# Allegro board mb1260.brd (continued)
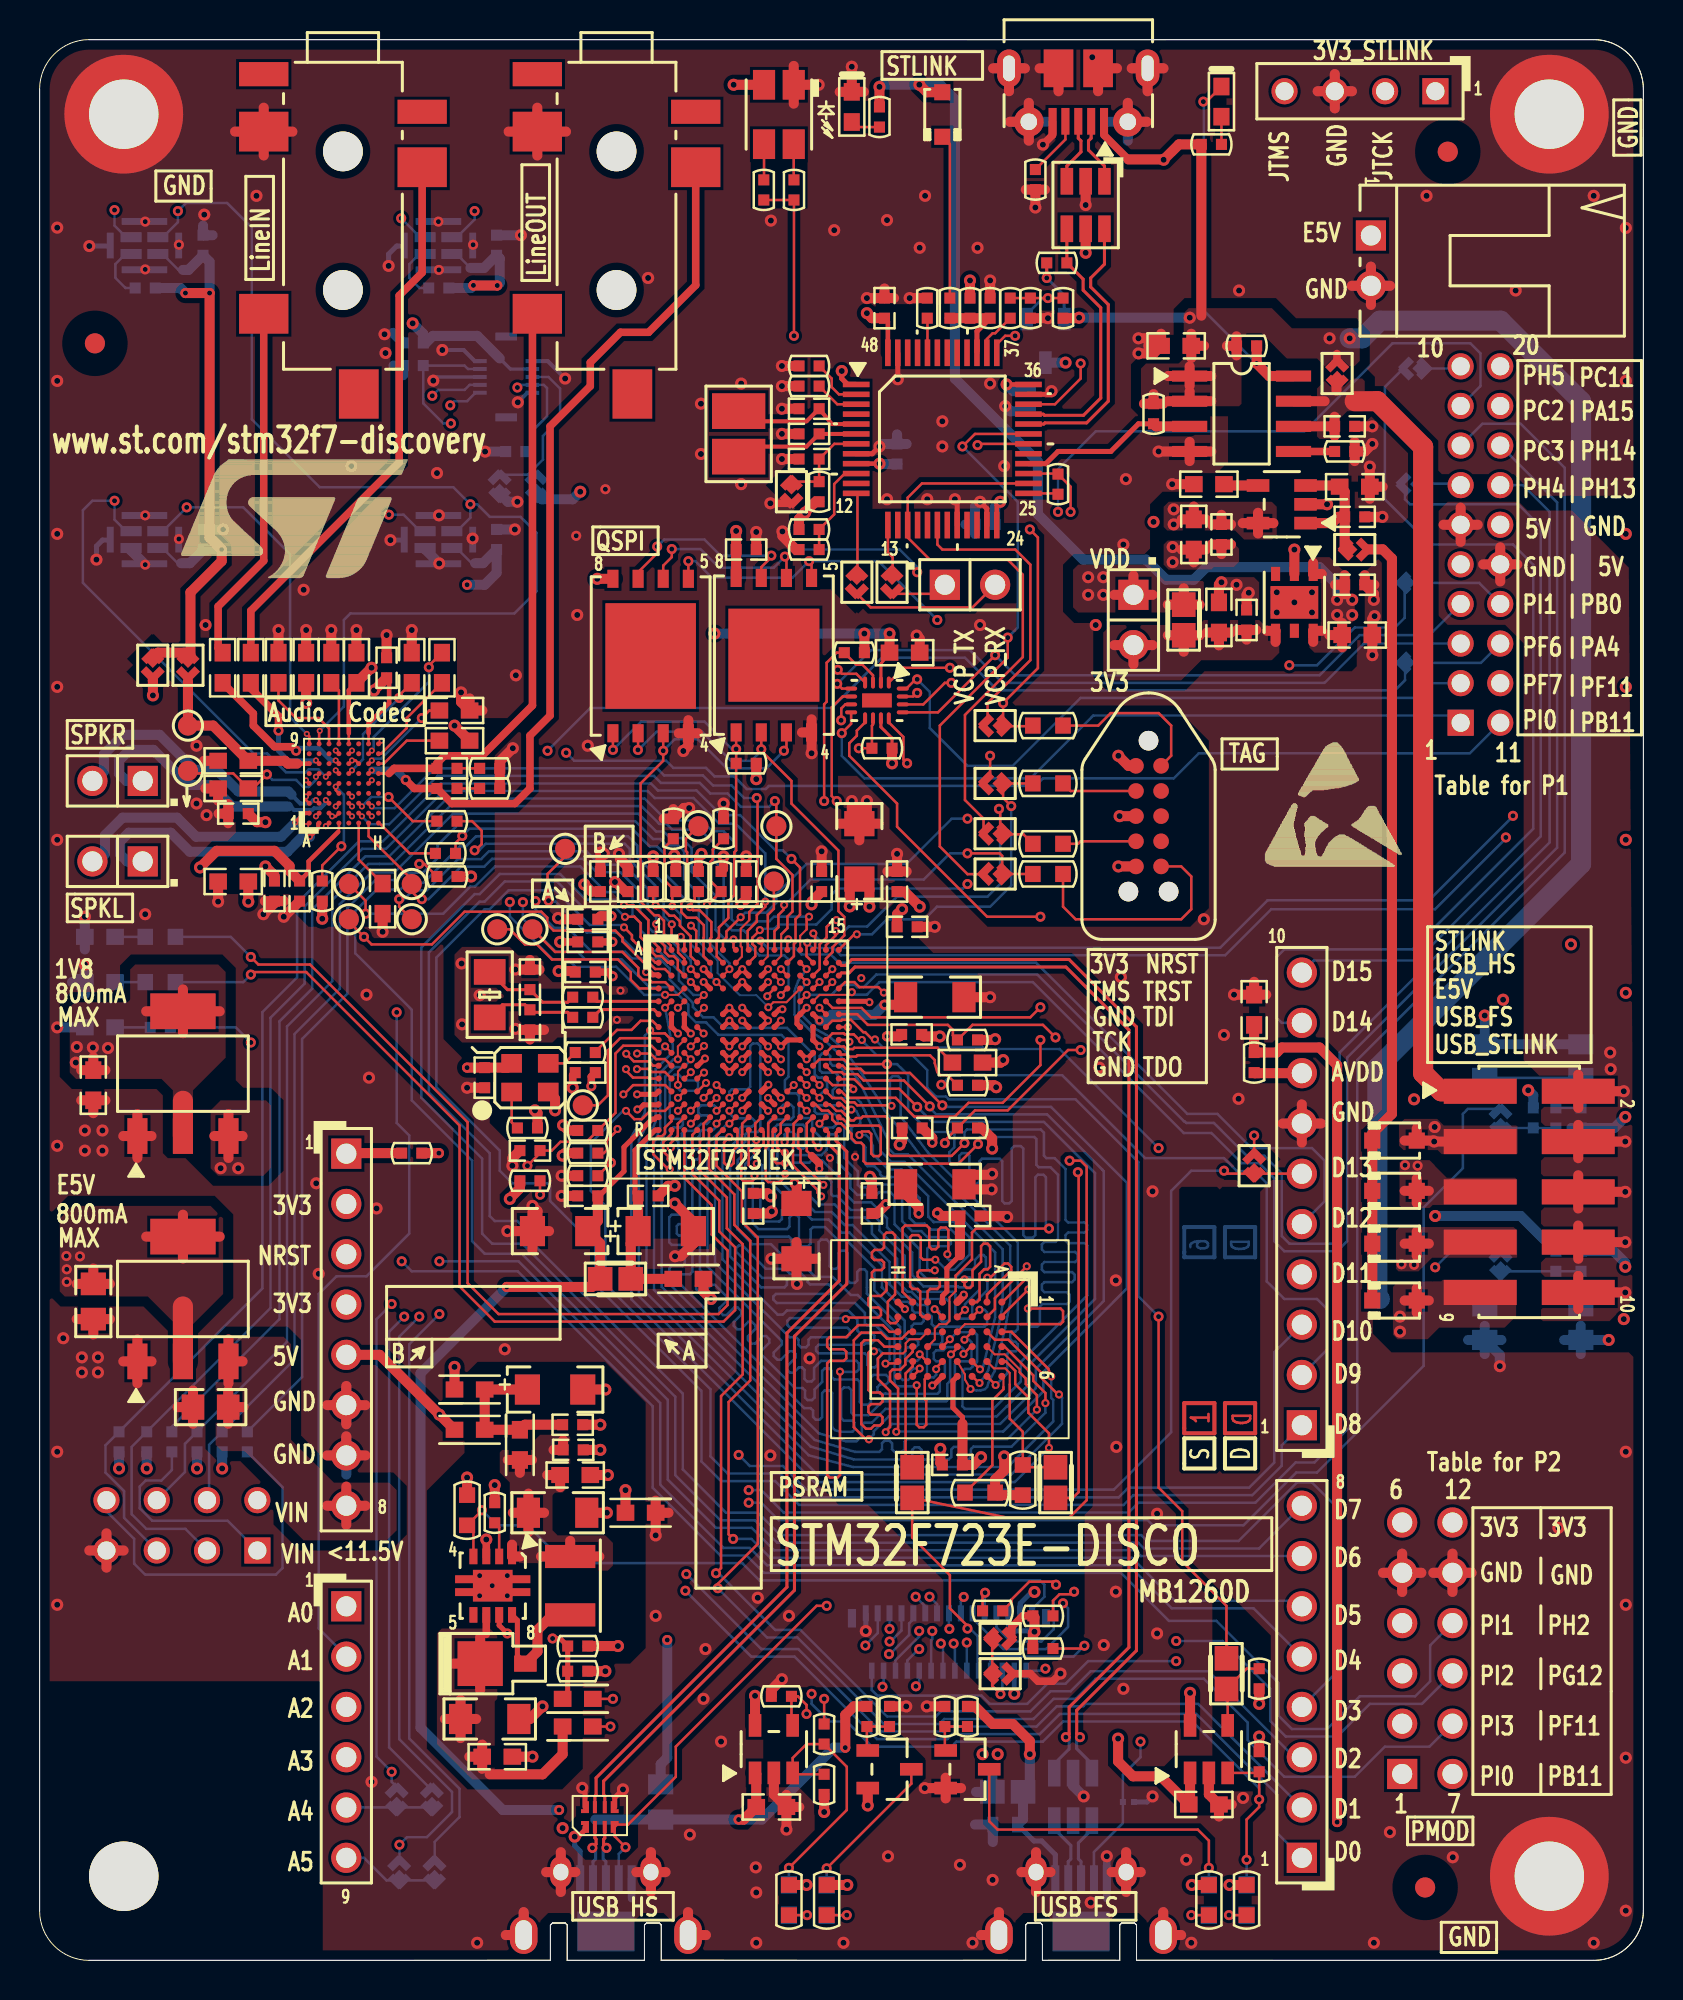
[diagram p0: board, top side]
## Routing (per net, layer and track width the routed paths; a pad name or vN(x,y) marks a point on that pad's centre or on a via; arc(x,y) is an arc through that point) (continued)
LCD_PSRAM_D12: length 52.1
  TOP w0.127: U10.E2 v1(45.2,32.89) ; v1(37.63,41.33) 37.76,41.46 U8.R11
  L4_SIG w0.102: v1(45.2,32.89) 45.69,32.89 45.82,33.02 45.82,33.43 45.95,33.55 46.18,33.55 46.3,33.43 46.3,32.56 46.18,32.44 45.19,32.44 45.06,32.31 45.06,32.13 45.19,32 45.52,32 45.64,31.88 45.64,31.65 45.52,31.52 44.63,31.52 43.92,30.81 43.92,27.61 44.3,27.23 44.3,24.82 44.17,24.69 43.28,24.69 43.15,24.56 43.15,24.36 43.28,24.23 44.22,24.23 44.35,24.1 44.35,23.9 44.22,23.77 43.28,23.77 43.15,23.65 43.15,18.26 43.79,17.63 44.7,17.63 44.83,17.5 44.83,17.25 44.7,17.12 44.22,17.12 44.09,16.99 44.09,16.76 44.22,16.64 v2(44.42,16.64)
  BOTTOM w0.127: CN17.6 43.23,15.16 44.42,16.36 v2(44.42,16.64) ; v1(45.2,32.89) 45.31,32.89 45.44,32.76 45.44,32.38 45.57,32.26 45.82,32.26 45.95,32.38 45.95,33.25 45.8,33.4 44.4,33.4 44.04,33.76 43.84,33.76 43.31,34.29 43.31,35.43 42.04,36.7 42.04,37.17 41.69,37.52 40.82,37.52 40.16,38.18 39.32,38.18 38.69,38.81 37.95,38.81 37.26,39.49 37.26,41.02 37.13,41.15 37.13,42.08 37.26,42.2 38.56,42.2 38.68,42.08 38.68,41.12 38.56,41 38.3,41 38.18,41.12 38.18,41.71 38.05,41.83 37.75,41.83 37.63,41.71 v1(37.63,41.33)
LCD_PSRAM_D13: length 46.7
  TOP w0.127: v1(45.24,35.38) 44.63,35.38 44.5,35.51 44.5,36.5 44.37,36.63 44.07,36.63 43.97,36.53 43.97,34.04 44.09,33.91 44.35,33.91 44.48,33.78 44.48,32.62 44.6,32.49 U10.F2 ; U8.P15 40.45,42.49 40.58,42.49 40.91,42.16 42.38,42.16 42.48,42.06 42.48,40.71 42.38,40.61 42.13,40.61 42,40.74 42,41.73 41.87,41.86 41.53,41.86 41.4,41.73 v1(41.4,41.68)
  L4_SIG w0.102: v2(42.93,16.74) 42.93,16.97 42.21,17.68 42.21,26.11 42.27,26.16 42.27,29.62 42.39,29.74 42.95,29.74 43.08,29.87 43.08,31.39 44.07,32.38 44.07,33.17 45.67,34.77 45.67,35.18 45.47,35.38 v1(45.24,35.38)
  BOTTOM w0.127: v1(45.24,35.38) 45.29,35.38 45.8,34.87 46.2,34.87 46.96,35.64 46.96,36.51 46.19,37.29 45.16,37.29 45.16,37.29 45.15,37.29 44.89,37.55 44.89,37.56 44.88,37.57 44.88,38.6 43.54,39.94 42.86,39.94 42.09,40.72 42.09,41.12 41.91,41.51 41.73,41.68 v1(41.4,41.68) ; CN17.5 v2(42.93,16.74)
LCD_PSRAM_D14: length 47.8
  TOP w0.127: v1(45.21,34.85) 44.45,34.85 44.35,34.75 44.35,34.54 44.48,34.42 45.34,34.42 45.47,34.29 45.47,34.04 45.34,33.91 44.98,33.91 44.85,33.78 U10.F1 ; v1(39.39,42.25) 39.39,42.26 U8.P14
  L4_SIG w0.102: v2(42.57,13.82) 42.14,14.25 42.14,15.9 42.24,16 42.24,17.09 42.11,17.22 41.61,17.22 41.48,17.35 41.48,17.58 41.58,17.68 41.74,17.68 41.87,17.81 41.87,17.96 41.74,18.08 41.58,18.08 41.48,18.19 41.48,26.49 41.94,26.95 41.94,29.97 42.57,30.61 42.57,31.67 43.21,32.31 43.21,32.97 45.09,34.85 v1(45.21,34.85)
  BOTTOM w0.127: CN17.4 42.63,13.87 v2(42.57,13.82) ; v1(39.39,42.25) 39.39,42.24 39.57,42.06 40.08,42.06 40.31,42.29 40.31,42.6 40.16,42.75 39.27,42.75 39.14,42.87 39.14,43.05 39.27,43.18 40.51,43.18 40.63,43.07 40.63,42.81 40.84,42.6 40.84,42.6 40.84,42.34 40.64,42.14 40.64,40.53 41.33,39.84 41.33,39.17 41.45,39.04 42.12,39.04 42.25,39.18 43.22,39.18 43.56,38.84 43.56,37.33 44.06,36.83 44.53,36.83 44.83,36.53 44.84,36.53 44.85,36.53 45.88,36.53 46.02,36.38 46.02,36.2 45.9,36.07 44.96,36.07 44.83,35.94 44.83,34.92 44.96,34.8 45.16,34.8 v1(45.21,34.85)
LCD_PSRAM_D15: length 47.9
  TOP w0.127: v1(41,42.96) 41,42.97 40.94,43.03 40.69,43.03 40.49,43.23 U8.N15 ; v1(45.85,35.66) 45.9,35.71 45.9,36.88 45.77,37.01 45.52,37.01 45.39,36.88 45.39,36.04 45.26,35.92 45.06,35.92 44.93,36.04 44.93,36.98 44.81,37.11 43.71,37.11 43.59,36.98 43.59,33.76 U10.G1
  L4_SIG w0.102: v2(41.71,15.9) 41.38,16.23 41.17,16.66 41.17,26.67 41.68,30.65 41.99,31.69 42.55,32.62 43.17,33.68 43.59,34.14 44.7,35.38 44.86,35.53 44.86,35.54 45.08,35.76 45.75,35.76 v1(45.85,35.66)
  BOTTOM w0.127: v1(41,42.96) 41.17,42.96 41.26,42.88 41.44,42.49 41.44,42.28 41.33,42.16 41.12,42.16 41,42.04 41,41.48 41.19,41.29 41.49,41.29 41.68,41.1 41.71,41.04 41.71,40.21 41.81,40.11 42.16,40.11 42.45,39.81 42.45,39.69 42.58,39.56 43.02,39.56 43.38,39.56 43.94,39 43.94,38.79 44.09,38.63 44.31,38.63 44.45,38.49 44.45,38.3 44.32,38.18 44.07,38.18 43.94,38.05 43.94,37.49 44.22,37.21 44.69,37.21 44.99,36.91 45,36.91 45,36.91 46.03,36.91 46.58,36.36 46.58,35.79 46.15,35.36 45.95,35.36 45.85,35.46 v1(45.85,35.66) ; v2(41.71,15.9) 41.71,15.91 42.33,16.53 CN17.3
LCD_PSRAM_NOE: length 56.7
  TOP w0.127: U8.D10 36.75,48.72 v1(36.75,48.69) ; v1(49.94,33.88) 48.6,32.55 U10.A2
  L4_SIG w0.102: v2(51.69,18.03) 51.79,18.14 51.79,18.77 51.82,18.8 51.82,18.8 52.07,19.05 52.07,19.05 52.2,19.18 52.2,31.22 49.94,33.48 v1(49.94,33.88) 49.94,33.93 50.06,34.06 51.18,34.06 51.31,34.19 51.31,35.48 50.06,36.73 47.9,36.73 47.42,37.21 46.57,37.21 46.47,37.31 46.47,37.42 46.35,37.54 46.18,37.54 46.06,37.42 46.06,37.31 45.96,37.21 43.93,37.21 43.83,37.31 43.83,37.7 43.71,37.82 43.54,37.82 43.42,37.7 43.42,37.31 43.32,37.21 41.5,37.21 41.39,37.33 41.39,38.7 41.35,38.74 41.35,38.74 40.61,39.49 40.61,40.82 40.03,41.4 38.86,41.4 37.85,42.42 36.77,42.42 36.4,42.79 36.4,48.33 36.75,48.69 v1(36.75,48.69)
  BOTTOM w0.127: CN17.19 47.13,17.26 48.67,15.72 50.83,15.72 51.94,16.84 51.94,17.78 v2(51.69,18.03)
LCD_PSRAM_NWE: length 57.3
  TOP w0.127: v1(37.44,50.06) U8.C11 ; v2(46.86,16.76) 46.86,16.89 45.97,17.78 45.97,19.46 44.07,21.36 R64.1 48.9,22.35 51.99,22.35 52.88,23.24 52.88,40.08 52.58,40.39 v2(52.02,40.39)
  L4_SIG w0.102: v1(37.44,50.06) 37.66,49.83 38.07,49.05 38.07,47.8 39.09,46.79 39.64,46.47 40.41,45.69 45.42,45.69 47.96,43.15 49.43,43.15 52.02,40.56 v2(52.02,40.39)
  BOTTOM w0.127: CN17.20 47.37,14.68 47.37,16.38 47,16.76 v2(46.86,16.76)
LCD_RST: length 43
  TOP w0.127: U8.N12 v1(38.74,42.91) ; 51.18,17.4 51.18,18.16 51.51,18.49 52.12,18.49 v2(52.25,18.62)
  L4_SIG w0.102: v2(52.25,18.62) 52.5,18.87 52.5,31.75 51.94,32.31 51.94,35.31 50.19,37.06 48.11,37.06 46.48,38.68 44.75,38.68 42.57,40.86 42.57,41.42 41.85,42.15 41.31,42.15 41.28,42.12 40.31,42.12 39.61,42.82 38.82,42.82 v1(38.74,42.91)
  BOTTOM w0.127: v2(52.25,18.62) 52.12,18.49 51.51,18.49 51.22,18.2 51.22,16.73 50.6,16.1 49.05,16.1 48.33,16.82 CN17.23
LCD_TE_INT: length 64
  TOP w0.127: v1(42.19,46.51) 42.06,46.51 41.69,46.88 41.6,46.88 40.97,47.5 40.53,47.5 40.48,47.45 40.03,47.45 U8.G14
  L4_SIG w0.102: v2(56.52,41.02) 56.77,40.77 56.77,34.67 57.4,34.04 57.4,23.88 58.04,23.24 58.04,15.75 v2(57.4,15.11)
  BOTTOM w0.127: v1(42.19,46.51) 42.6,46.1 47.62,46.1 47.7,46.02 48.05,46.02 51.51,46.02 v2(56.52,41.02) ; CN17.2 42.03,13.65 42.31,13.37 47.57,13.37 47.99,12.95 49.88,12.95 50.9,13.97 51.82,13.97 52.96,15.11 v2(57.4,15.11)
LED_STLINK: length 22.6
  TOP w0.127: U2.30 47.43,76.59 v2(47.37,76.52) ; R13.1 R14.1 v2(38.1,82.04)
  L4_SIG w0.102: v2(38.1,82.04) 38.1,81.92 41.91,78.11 43.56,78.11 44.7,76.96 46.93,76.96 v2(47.37,76.52)
LEDA: length 26.5
  TOP w0.127: L8.2 v2(28.83,11.81)
  L4_SIG w0.102: v2(28.83,11.81) 29.36,12.34 38.18,12.34 39.22,11.3 46.48,11.3 48.13,12.95 50.04,12.95 50.8,13.72 v2(50.8,14.73)
  BOTTOM w0.127: CN17.28 50.7,14.63 v2(50.8,14.73)
LEDK: length 34.4
  TOP w0.127: U12.4 21.91,21.65 R66.2 22.34,22.72 v2(22.34,22.73)
  BOTTOM w0.127: CN17.29 50.13,17.74 50.75,18.36 50.75,18.97 50.53,19.19 36.36,19.19 35.48,20.07 26.54,20.07 24.64,21.97 23.11,21.97 22.35,22.73 v2(22.34,22.73)
MIC_VDD1: length 9.4
  TOP w0.127: 7.49,64.59 7.49,64.81
  TOP w0.229: 13,60.44 U7.A7
  TOP w0.508: 7.49,64.59 TP1.1 8.76,62.36 C29.2 12.4,60.58 12.54,60.44 13,60.44
MIC_VDD2: length 7.9
  TOP w0.127: v2(11.48,59.89) 10.77,59.18 C31.2 9.78,59.94 7.62,59.94 TP2.1 ; 14.12,59.94 U7.B6 14.12,59.94 ; 14.12,59.94 v3(13.96,59.78)
  BOTTOM w0.127: v3(13.96,59.78) 13.96,59.63 13.59,59.26 13.31,59.26 12.95,59.61 11.76,59.61 v2(11.48,59.89)
NC1: length 8.2
  TOP w0.127: TP3.1 32.64,56.64 32.64,56.03 32.7,55.96 32.7,53.71 32.41,53.42 32.41,52.94 32.69,52.65 33.17,52.65 33.55,52.28 33.55,51.66 33.53,51.64 33.53,50.71 U8.B5
NC4: length 4.4
  TOP w0.102: U8.B9 36.78,50.7 36.78,52.17
  TOP w0.127: 36.78,52.17 36.78,52.8 37.08,53.1 TP5.1
NC8: length 8.5
  TOP w0.127: TP14.1 26.04,50.93 29.43,50.93 30.24,50.12 30.24,49.75 30.47,49.52 30.81,49.52 30.93,49.4 31.6,49.4 U8.D2
NC10: length 13.6
  TOP w0.127: v1(33.55,48.75) 33.53,48.75 U8.E4 ; v2(25.7,53.52) 25.65,53.57 25.65,54.86 26.54,55.75 TP8.1
  BOTTOM w0.127: v1(33.55,48.75) 33.03,48.75 32.29,49.49 32.29,49.95 31.27,50.98 30.07,50.98 29.14,51.91 27.62,51.91 26.06,53.47 25.76,53.47 v2(25.7,53.52)
NC11: length 9.6
  TOP w0.127: U8.D1 30.29,49.08 29.86,49.52 29.86,49.9 29.21,50.55 25.88,50.55 25.12,51.31 24.51,51.31 23.75,52.07 TP13.1
NETB1_2: length 7.6
  BOTTOM w0.127: 76.58,43.05 77.85,43.05 77.84,43.07 B1.4 B1.2
NETB2_1: length 7.9
  BOTTOM w0.127: B2.3 77.85,33.05 C87.2 R91.1 73.84,34.8 SB34.2 73.82,33.86 B2.1
NETC8_2: length 1.7
  TOP w0.508: C8.2 59.88,74.48 U3.4
NETC9_2: length 7.1
  TOP w0.508: 65.91,72.9 65.91,74.17 C9.2 65.6,74.48 U3.3 ; 65.91,72.9 65.59,72.9 65.28,72.58 U3.1 ; 65.91,72.9 65.91,71.25
NETC18_1: length 6.3
  TOP w0.127: U7.B7 v3(13.96,60.6)
  TOP w0.381: v2(12.06,62.1) 12.06,62.84 10.67,64.24 C18.1
  BOTTOM w0.254: v2(12.06,62.1) 12.06,61.09 12.57,60.58 13.94,60.58 v3(13.96,60.6)
NETC18_2: length 28.1
  TOP w0.381: CN4.4 19.32,85.23 18.16,84.07 18.16,75.65 10.67,68.16 C18.2
NETC19_2: length 4.8
  TOP w0.127: U7.C9 14.62,62.22 14.1,62.74 12.95,62.74 12.06,63.63 C19.2
NETC21_1: length 3.2
  TOP w0.127: U7.D9 15.12,64.13 C21.1
NETC24_1: length 5.9
  TOP w0.127: U7.E6 v3(15.78,60.1) ; v2(18.16,63.75) 18.16,63.88 C24.1
  BOTTOM w0.127: v2(18.16,63.75) 16.33,61.93 16.33,60.65 v3(15.78,60.1)
NETC25_1: length 5
  TOP w0.127: U7.H8 17.25,60.94 18.54,62.23 18.54,62.74 C25.1
NETC25_2: length 6.6
  TOP w0.127: C25.2 19.66,65.38 v2(19.66,65.3) ; U7.G8 v3(16.78,61.1)
  BOTTOM w0.127: v2(19.66,65.3) 19.66,64.57 16.87,61.77 16.87,61.19 v3(16.78,61.1)
NETC26_1: length 4.7
  TOP w0.127: U7.G7 v3(16.78,60.6) ; C26.1 19.68,63.12 v2(19.3,62.74)
  BOTTOM w0.127: v3(16.78,60.6) 16.87,60.69 17.25,60.69 v2(19.3,62.74)
NETC27_1: length 8
  TOP w0.127: U7.D7 v3(14.96,60.6)
  TOP w0.381: v2(12.95,61.09) 12.75,61.29 11.86,61.29 10.79,62.36 10.79,62.97 C27.1
  BOTTOM w0.254: v3(14.96,60.6) 14.71,60.6 14.1,61.21 13.08,61.21 v2(12.95,61.09)
NETC27_2: length 18.2
  TOP w0.381: C27.2 9.02,66.27 9.02,68.38 11.32,70.68 CN4.6
NETC28_1: length 3.6
  TOP w0.127: C28.1 18.54,61.59 17.38,60.44 U7.H7
NETC30_1: length 29.2
  TOP w0.127: U7.H6 17.65,59.94
  TOP w0.381: CN5.6 24.89,82.91 24.89,63.37 22.35,60.83 20.45,60.83 20.07,60.45 C30.1 17.91,60.2 17.65,59.94
NETC30_2: length 1.1
  TOP w0.127: C30.2 R31.1
NETC32_1: length 44.9
  TOP w0.127: U7.G6 v3(16.78,60.1)
  TOP w0.381: CN5.4 33.14,84.6 30.76,82.22 29.34,82.22 27.81,80.7 27.81,79.5 25.78,77.47 25.78,62.87 24.77,61.85 24.77,59.18 24,58.42 20.83,58.42 C32.1 18.92,59.18 v2(18.49,59.61)
  BOTTOM w0.381: v2(18.49,59.61) 18.01,60.1 v3(16.78,60.1)
NETC32_2: length 1.1
  TOP w0.127: C32.2 R33.1
NETC43_2: length 3.6
  TOP w0.127: U7.F1 16.12,55.59 C43.2
NETC48_2: length 4.9
  TOP w0.152: R49.1 26.67,48.39 25.4,48.39 C48.2 23.63,49.02 X2.1
NETC51_2: length 4.7
  TOP w0.152: R50.1 26.67,47.88 24.89,47.88 C51.2 24.51,48.26 23.38,48.26 X2.2
NETC67_1: length 8.2
  TOP w0.508: C69.2 24.51,27.05 L4.1 L3.2 L2.2 C67.1
NETC75_2: length 15.9
  TOP w0.381: U12.6 22.56,16.46
  TOP w0.508: 20.9,14.99 Z1.2 ; Z1.2 22.25,13.65 ; Z1.2 22.25,16.32 ; 22.73,9.4 25.4,9.4 26.42,10.41 L8.1 ; 21.26,11.23 C75.2 ; C75.2 20.47,12.19 ; C75.2 21.26,13.16 ; C75.2 22.05,12.19 ; 21.7,10.29 C76.2 ; C76.2 22.35,10.9 ; C76.2 22.35,9.68
NETC86_2: length 2.8
  BOTTOM w0.127: SB33.2 73.84,42.04 C86.2 R90.1
NETCN7_1: length 14.5
  TOP w0.127: U7.C3 v3(14.46,58.6)
  BOTTOM w0.203: v3(14.46,58.6) 14.46,58.45 14.19,58.18 13.86,58.18 13.77,58.09 12.85,58.09 12.69,58.25 12.63,58.25 12.62,58.27 12.56,58.27
  BOTTOM w0.508: 12.56,58.27 9.73,58.27 8.64,59.36 7.52,59.36 5.75,61.13 4.55,61.13 4.01,60.59 4.01,59.94 4.38,59.56 CN7.1
NETCN7_2: length 14.5
  TOP w0.127: U7.B3 v3(13.96,58.6)
  BOTTOM w0.203: v3(13.96,58.6) 13.83,58.6 13.65,58.42 13.17,58.42 12.73,58.86
  BOTTOM w0.508: CN7.2 2.77,59.56 3.25,60.05 3.25,60.9 4.23,61.89 6.06,61.89 7.83,60.12 8.95,60.12 10.04,59.03 12.56,59.03 12.73,58.86
NETCN10_1: length 13.3
  TOP w0.203: U7.B1 14.07,57.39 14.07,57.16 v3(13.65,56.74)
  BOTTOM w0.508: CN10.1 4.42,55.5 4.06,55.85 4.06,56.51 4.5,56.95 6.63,56.95 7.59,55.98 12.51,55.98 13.27,56.74 v3(13.65,56.74)
NETCN10_2: length 13.3
  TOP w0.203: v3(12.91,57.46) 13.38,57.94 U7.A2
  BOTTOM w0.508: CN10.2 2.92,55.5 3.3,55.88 3.3,56.82 4.19,57.71 6.94,57.71 7.91,56.74 12.19,56.74 12.91,57.46 v3(12.91,57.46)
NETCN11_8: length 2.4
  TOP w0.508: 61.34,44.83 61.37,44.8 CN11.8
NETCN12_1: length 2.8
  TOP w0.508: R58.1 15.52,40.77 CN12.1
NETCN14_1: length 10.8
  BOTTOM w0.127: CN14.1 9.5,22.2 5.69,22.2 5.05,22.83 5.05,23.93 5.36,24.23 6.15,24.23 6.68,24.77 R92.2
NETCN14_8: length 18.2
  BOTTOM w0.127: R97.1 12.27,23.9 12.27,19.81 11.94,19.48 5.33,19.48 4.78,20.04 4.78,21.29 3.38,22.68 CN14.8
NETCN15_5: length 4.2
  BOTTOM w0.127: 19.72,7.73 SB36.2 15.5,7.73 CN15.5
NETCN15_6: length 5
  BOTTOM w0.127: CN15.6 16.38,5.18 17.52,4.04 SB38.2 SB37.2
NETCN16_8: length 8.5
  BOTTOM w0.127: SB4.1 24.66,75.03 ; 24.66,75.03 25.42,75.79 25.42,76.98 26.29,77.85 26.29,79.38 25.7,79.96 CN16.8 ; 24.66,75.03 SB2.1
NETCN17_24: length 4.2
  TOP w0.127: SB15.2 SB16.2 48.11,13.86 v2(48.53,13.45)
  BOTTOM w0.127: v2(48.53,13.45) 48.63,13.55 CN17.24
NETD1_2: length 8.3
  TOP w0.127: D1.2 45.97,91.71 45.97,83.95
NETD2_2: length 39.3
  TOP w0.508: D2.2 D3.2 D4.2 D5.2 67.3,41.75 68.3,42.75 68.3,70.79 67.84,71.26 67.12,71.26
NETL6_2: length 6.7
  TOP w0.254: Z1.1 24.13,15.39 24.13,17.18 U12.8
  TOP w0.508: L6.2 25.91,17.45 25.15,16.69 25.15,15.6 Z1.1
NETL7_2: length 7.2
  TOP w0.254: L7.2 26.67,13.46 R71.2 R69.2 26.29,16.26 v2(25.91,16.26) ; v2(23.62,16.51) 23.21,16.92 U12.7
  L4_SIG w0.254: v2(23.62,16.51) 25.65,16.51 v2(25.91,16.26)
NETLD1_1: length 1.8
  BOTTOM w0.127: LD1.1 R12.1
NETLD2_1: length 1.5
  TOP w0.127: R1.2 41.27,92.58 LD2.1
NETLD3_1: length 1.4
  TOP w0.127: LD3.1 R2.1
NETLD3_2: length 18.6
  TOP w0.127: v2(58.78,93.87) 58.93,93.87 LD3.2
  TOP w0.508: U1.8 62.1,80.01 v2(61.47,80.64) R15.1
  BOTTOM w0.127: v2(61.47,80.64) 58.8,83.31 58.8,93.84 v2(58.78,93.87)
NETLD4_2: length 1.8
  TOP w0.127: R14.2 38.09,89.93 LD4.2
NETLD4_3: length 1.8
  TOP w0.127: LD4.3 36.59,89.93 R13.2
NETLD5_1: length 1.5
  BOTTOM w0.127: LD5.1 R47.2
NETLD6_1: length 1.5
  BOTTOM w0.127: LD6.1 R48.2
NETLD7_1: length 1.8
  TOP w0.127: v2(38.76,2.29) R81.2
  BOTTOM w0.127: v2(38.76,2.29) R81.2
NETLD7_2: length 13.1
  TOP w0.127: R80.2 38.09,9.4 U13.3 38.03,10.22 38.73,10.92 R78.1 40.77,9.78 40.77,7.59 v2(37.85,4.67)
  BOTTOM w0.127: LD7.2 v2(37.85,4.67)
NETLD8_1: length 2
  TOP w0.127: R82.1 v2(40.77,2.29)
  BOTTOM w0.127: R82.1 v2(40.77,2.29)
NETLD8_2: length 7.6
  TOP w0.127: T1.3 44.03,8.92 v2(39.75,4.65)
  BOTTOM w0.127: LD8.2 v2(39.75,4.65)
NETLD9_1: length 1.8
  TOP w0.127: v2(58.17,2.29) R83.1
  BOTTOM w0.127: R83.1 v2(58.17,2.29)
NETLD9_2: length 16.4
  TOP w0.127: T2.3 47.96,7.03 48.39,6.6 58.5,6.6 59.05,6.05 v2(59.05,4.67)
  BOTTOM w0.127: LD9.2 v2(59.05,4.67)
NETLD10_1: length 1.8
  TOP w0.127: R84.1 v2(60.07,2.29)
  BOTTOM w0.127: R84.1 v2(60.07,2.29)
NETR3_2: length 1.8
  TOP w0.127: U2.44 44.84,82.92 R3.2
NETR7_1: length 4.3
  TOP w0.127: 49.02,83.95 v2(50.93,83.95) 51.69,83.95
  BOTTOM w0.127: T3.1 49.85,83.12 50.67,83.95 v2(50.93,83.95)
NETR10_1: length 3.2
  TOP w0.155: R10.1 v2(50.87,84.96)
  BOTTOM w0.155: T3.2 51.75,84.08 v2(50.87,84.96)
NETR12_2: length 126.2
  TOP w0.127: v2(61.34,41.66) 61.34,40.77
  L4_SIG w0.102: v2(61.34,41.66) 60.83,42.16 54.81,42.16 51.94,45.03 51.94,70.48 53.34,71.88 53.34,74.04 52.45,74.93 45.47,74.93 43.03,77.37 41.63,77.37 38,81 22.53,81 20.09,78.56 20.09,77.58 22.56,75.12 24.2,75.12 24.89,74.42 24.89,61.09 24,60.2 24,55.63 18.03,49.66 13.97,49.66 v2(10.67,46.35)
  BOTTOM w0.127: R12.2 9.91,47.12 v2(10.67,46.35)
NETR17_2: length 2.7
  TOP w0.127: U2.2 40.37,79.08 40.01,79.45 40.01,79.88 R17.2
NETR19_2: length 2.3
  TOP w0.127: U2.3 40.29,78.59 R19.2
NETR22_1: length 2.1
  TOP w0.381: U1.5 R22.1
NETR35_2: length 4.7
  TOP w0.127: U7.F3 v3(16.28,58.28) ; v2(17.63,58.75) 18.85,57.53 R35.2
  BOTTOM w0.127: v2(17.63,58.75) 16.75,58.75 v3(16.28,58.28)
NETR39_2: length 3.5
  TOP w0.127: R39.2 18.69,55.91 17.19,57.4 17.15,57.4 U7.H1
NETR41_2: length 4.9
  TOP w0.127: U7.G2 v3(16.78,57.78) ; v2(19.18,55.37) 19.43,55.37 R41.2
  L4_SIG w0.102: v2(19.18,55.37) 19.18,55.5 16.9,57.78 v3(16.78,57.78)
NETR46_1: length 6
  TOP w0.127: U7.D4 14.96,59.1 v3(14.96,59.28) 15.12,59.44 U7.D5 ; R46.1 14.27,55.3 v2(15.24,56.26)
  BOTTOM w0.127: v3(14.96,59.28) 15.37,58.87 15.37,56.39 v2(15.24,56.26)
NETR55_2: length 1.9
  TOP w0.127: X3.1 23.84,42.33 R55.2
NETR63_1: length 8
  TOP w0.102: U10.B5 48.2,29.9 48.77,29.9 49,29.67 49,29.08
  TOP w0.127: 49,29.08 49,27.36 49.66,26.7 R63.1 49.77,24.9 R65.2
NETR64_2: length 5.6
  TOP w0.127: U10.G5 44.1,30 43.74,29.64 43.74,25.24 R64.2
NETR67_2: length 1.8
  TOP w0.127: R67.2 23.21,21.87 U12.2
NETR72_2: length 3.9
  TOP w0.127: U14.4 60,13.64 R72.2 59.94,13.72 60.96,14.73 R73.1
NETR74_1: length 2.4
  TOP w0.127: T1.1 41.78,10.64 R74.1 R75.1
NETR76_2: length 2.4
  TOP w0.127: R77.1 R76.2 45.72,10.64 T2.1
NETR85_1: length 2.9
  BOTTOM w0.127: R85.1 19.19,84.45 18.68,84.97 18.68,85.67 19.18,86.17 U16.2
NETR86_1: length 2.9
  BOTTOM w0.127: U17.2 4.34,86.17 3.83,85.67 3.83,84.97 4.34,84.45 R86.1
NETR100_1: length 6.7
  TOP w0.102: 48.68,28.96 48.68,29.41 U10.A6
  TOP w0.127: 48.68,28.96 48.68,28.84 48.12,28.28 48.12,25.01 R100.1
NRST: length 138.3
  TOP w0.127: v2(50.01,72.26) 50.42,71.86 50.42,65.26 v2(48.66,63.5) SB10.2 50.13,62.33 R28.2 ; U8.J1 30.91,46.19 29.48,46.19 29.08,45.8 29.08,42.8 R57.1 27.62,41.34 26.31,41.34 25.86,40.89 C93.2 25.27,40.77 v2(24.64,40.13)
  L4_SIG w0.102: v2(70.48,35) 70.48,35.53 70.21,35.81 62.74,35.81 62.29,36.26 62.29,39.43 59.94,41.78 54.48,41.78 49.73,46.53 49.73,58.6 48.66,59.67 v2(48.66,63.5) ; CN12.3 17.25,35.66 22.35,40.77 24,40.77 v2(24.64,40.13) 24.84,40.13 25.22,40.51 25.22,40.64 26.24,41.66 26.75,41.66 27.28,42.19 27.28,42.78 27.43,42.93 27.43,44.7 29.54,46.81 29.54,47.55 29.77,47.78 29.77,49.23 29.37,49.62 29.37,49.88 29.12,50.13 27.97,50.13 26.8,51.31 26.8,53.01 26.47,53.34 26.47,56.72 28.52,58.78 28.52,64.59 33.78,69.85 39.27,69.85 41.68,72.26 v2(50.01,72.26)
  BOTTOM w0.127: SB34.1 71.25,35.76 v2(70.48,35)
OSC_25M: length 1.6
  TOP w0.127: X3.3 26.51,45.3 R51.1
OSC_IN: length 6.8
  TOP w0.203: U2.5 40.02,77.59 C4.2 38.73,77.72 35.82,77.72 X1.2
OSC_OUT: length 6.4
  TOP w0.203: X1.1 35.81,76.45 38.73,76.45 C6.2 39.49,77.08 U2.6
PC14-OSC32_IN: length 3.4
  TOP w0.152: R49.2 28.15,48.43 U8.E1
PC15-OSC32_OUT: length 3.6
  TOP w0.152: U8.F1 31.03,48.02 28.33,48.02 R50.2
PDRON: length 8.3
  TOP w0.102: U8.C6 v1(34.84,50.06)
  TOP w0.127: R37.2 34,56.1 34,55.6 33.87,55.47 33.87,54.52 34.42,53.98 33.76,53.31 v1(33.71,53.31)
  BOTTOM w0.127: v1(33.71,53.31) 33.71,51.49 34.84,50.35 v1(34.84,50.06)
PH0-OSCIN: length 4
  TOP w0.127: R51.2 28.07,45.89 29.17,46.99 29.9,46.99 30.35,47.45 30.95,47.45 U8.G1
PH1-OSCOUT: length 6.6
  TOP w0.127: U8.H1 31.18,46.57 29.32,46.57 28.7,45.95 28.7,43.69 28.19,43.18 TP15.1
PMOD#1: length 96.3
  TOP w0.127: U20.8 40.99,62.45 v2(40.51,61.98)
  L4_SIG w0.102: P2.1 70.07,10.67 71.88,10.67 77.6,16.38 77.6,45.56 76.33,46.83 76.33,49.56 71.12,54.76 71.12,61.85 P1.1
  BOTTOM w0.127: v2(40.51,61.98) 40.51,60.83 41.66,59.69 50.04,59.69 53.21,62.87 71.41,62.87 P1.1
PMOD#2: length 93.9
  TOP w0.127: v2(44.32,64.69) 44.25,64.69 43.78,64.23 U20.16
  L4_SIG w0.102: P2.2 70.07,13.21 72.52,13.21 75.82,16.51 75.82,22.61 76.91,23.7 76.91,45.28 75.64,46.55 75.64,49.17 70.36,54.46 70.36,63.63 71.23,64.5 P1.2
  BOTTOM w0.127: v2(44.32,64.69) 44.96,64.06 44.96,62.23 46.86,60.33 49.15,60.33 52.58,63.75 69.6,63.75 70.34,64.5 P1.2
PMOD#3: length 95.4
  TOP w0.127: v2(40.28,64.47) 40.52,64.23 U20.5
  L4_SIG w0.102: P1.3 69.98,64.71 69.98,54.25 75.31,48.92 75.31,46.41 76.58,45.14 76.58,23.88 75.44,22.73 75.44,17.4 73.53,15.49 69.82,15.49 P2.3
  BOTTOM w0.127: v2(40.28,64.47) 41.99,66.17 46.99,66.17 48.64,64.52 64.9,64.52 66.88,66.5 P1.3
PMOD#4: length 91.6
  TOP w0.127: v2(48.26,65.91) 45.37,63.03 U20.13
  L4_SIG w0.102: P2.4 69.94,18.16 73.66,18.16 74.93,19.43 74.93,22.99 76.2,24.26 76.2,44.98 74.93,46.25 74.93,48.79 69.6,54.13 69.6,65.02 70.87,66.29 70.87,67.59 P1.4
  BOTTOM w0.127: P1.4 70.2,66.93 66.67,66.93 64.64,64.9 49.28,64.9 v2(48.26,65.91)
PMOD_GPIO_0: length 74.7
  TOP w0.127: U8.B8 36.14,50.71 36.14,51.18 35.99,51.33 35.99,51.64 36.37,52.02 v1(36.37,52.03)
  L4_SIG w0.102: v2(57.4,16.13) 57.4,23.11 57.02,23.5 57.02,33.78 56.26,34.54 56.26,37.47 55.12,38.61 55.12,40.23 49.12,46.23 49.12,52.1 v2(46.86,54.36)
  BOTTOM w0.127: v2(57.4,16.13) 59.74,16.13 62.15,13.72 62.15,12.09 62.94,11.3 65.53,11.3 67.18,12.95 69.82,12.95 P2.9 ; v2(46.86,54.36) 46.63,54.13 40.31,54.13 40.01,53.82 40.01,53.09 39.23,52.31 37.33,52.31 37.11,52.1 36.45,52.1 36.39,52.03 v1(36.37,52.03)
PMOD_GPIO_1: length 92.6
  TOP w0.127: U8.F4 33.23,47.78 v1(33.55,48.11)
  L4_SIG w0.102: v1(33.55,48.11) 33.02,47.57 32.08,47.57 31.8,47.57 31.42,47.19 31.42,46.86 30.76,46.2 30.76,44.92 30.34,44.5 29.28,44.5 28.32,43.54 28.32,42.95 27.89,42.52 27.89,41.93 27.08,41.12 27.08,40.59 26.92,40.44 26.9,40.44 26.62,40.16 25.78,40.16 24.74,39.12 21.84,39.12 18.29,35.56 v2(18.29,35.31)
  BOTTOM w0.127: P2.10 70.23,15.91 70.23,14.1 69.47,13.34 66.67,13.34 65.02,11.68 63.25,11.68 62.59,12.34 62.59,14 59.44,17.14 57.04,17.14 54.61,19.57 36.58,19.57 35.71,20.45 34.39,20.45 30.96,23.87 30.96,27.99 24.16,34.8 18.8,34.8 v2(18.29,35.31)
PMOD_INT: length 140.6
  TOP w0.127: U8.R13 39.06,41.33 v1(39.34,41.05)
  L4_SIG w0.102: v2(24.41,53.44) 24.41,53.82 25.22,54.64 25.22,58.88 26.59,60.25 v2(26.59,60.99) ; P2.7 77.98,16.04 77.98,45.72 76.71,46.99 76.71,49.68 73.11,53.28 73.11,61.84 P1.11
  BOTTOM w0.127: v2(24.41,53.44) 24.41,52.6 26.07,50.94 27.17,50.94 27.55,50.56 29.39,50.56 30.8,49.15 31.88,49.15 32.77,48.26 32.77,47.75 33.15,47.37 33.66,47.37 34.29,46.74 37.47,46.74 37.82,46.38 37.82,44.63 37.64,44.45 37.64,43.99 37.85,43.79 38.23,43.79 38.35,43.66 38.35,42.75 38.57,42.54 38.93,42.54 39.02,42.44 39.02,41.98 39.42,41.58 39.42,41.12 v1(39.34,41.05) ; P1.11 72.23,60.96 58.55,60.96 57.28,59.69 50.67,59.69 50.29,59.31 36.83,59.31 36.68,59.16 35.71,59.16 35.08,59.79 34.09,59.79 33.66,60.22 32,60.22 31.65,60.58 27,60.58 v2(26.59,60.99)
PMOD_RESET: length 130.2
  TOP w0.127: v2(34.25,18.8) 34.25,19.01 36.27,21.03 36.27,36.5 35.47,37.3 35.47,38.84 34.19,40.12 34.19,41.64 34.51,41.96 U8.R6
  L4_SIG w0.102: P1.12 72.77,63.5 70.99,63.5 70.74,63.25 70.74,54.64 75.95,49.43 75.95,46.67 77.22,45.4 77.22,16.76 72.41,11.95 P2.8
  BOTTOM w0.127: v2(34.25,18.8) 36.74,16.31 38.27,16.31 42.64,11.94 45.44,11.94 45.69,12.19 50.2,12.19 51.21,13.21 52.32,13.21 53.34,14.22 58.8,14.22 61.01,12.01 61.01,11.13 62.87,9.27 66.42,9.27 67.94,10.8 70.2,10.8 P2.8
PMOD_SEL_0: length 20.5
  TOP w0.127: v2(39.62,58.55) 39.62,63.43 39.75,63.56 39.75,65.53 40.26,66.04 R102.1 41.25,65.43 41.56,65.43 42.09,64.9 U20.3 ; U8.D13 v1(39.39,49.41)
  L4_SIG w0.102: v2(39.62,58.55) 40.13,58.04 40.13,55.5 39.5,54.86 39.5,51.5 39.39,51.4 v1(39.39,49.41)
PMOD_SEL_1: length 27
  TOP w0.102: v1(32.24,48.11) 32.22,48.11 32.22,48.1 32.23,48.1 32.56,48.43 U8.E3
  TOP w0.127: v2(41.38,61.21) R29.2 42.04,62.36 42.09,62.41 U20.10
  L4_SIG w0.102: v2(41.38,61.21) 41.4,61.21 41.27,61.09 40.39,61.09 39.75,61.72 36.32,61.72 35.81,61.21 35.81,60.96 35.29,60.44 34.07,60.44 33.2,59.56 31.62,59.56 29.87,57.81 29.87,55.27 29.97,55.17 29.97,51.49 31.95,49.5 31.95,48.39 v1(32.24,48.11)
PMOD_SPI2_MISO: length 15.5
  TOP w0.127: U20.6 40.59,63.83 40.57,63.81 40.54,63.81 40.01,63.28 40.01,58.8 v2(40.26,58.55) ; U8.C14 40.03,50.05 40.03,50.05 v1(40.04,50.06)
  L4_SIG w0.102: v1(40.04,50.06) 40.04,51.53 39.8,51.77 39.8,54.66 40.51,55.37 40.51,58.29 v2(40.26,58.55)
PMOD_SPI2_MOSI: length 21.9
  TOP w0.127: U20.1 43.64,65.28 v2(45.97,65.28) ; v1(40.24,52.53) 40.09,52.53 39.88,52.32 39.88,52.32 39.75,52.19 39.75,51.66 39.4,51.31 39.4,50.06 U8.C13
  L4_SIG w0.102: v1(40.24,52.53) 40.39,52.68 40.39,54.23 45.59,59.44 45.59,64.9 v2(45.97,65.28)
PMOD_SPI2_NSS: length 31.9
  TOP w0.127: v2(50.55,52.7) 47.85,52.7 43.31,57.25 43.31,58.42 40.89,60.83 40.89,61.47 41.27,61.85 41.27,62.1 41.69,62.52 U20.9 ; U8.E14 40.05,48.1 41.52,48.1 41.99,47.62 50.04,47.62 v2(50.55,48.13)
  L4_SIG w0.102: v2(50.55,48.13) v2(50.55,52.7)
PMOD_SPI2_SCK: length 21.4
  TOP w0.127: U20.14 44.63,63.43 45.72,64.52 v2(46.05,64.52) ; v1(40.04,49.41) U8.D14
  L4_SIG w0.102: v1(40.04,49.41) 40.39,49.76 40.39,50.22 42.55,52.37 42.55,54.36 45.34,57.15 45.34,58.67 46.61,59.94 46.61,63.96 v2(46.05,64.52)
PMOD_UART7_CTS: length 31.8
  TOP w0.127: v1(30.17,45.01) 30.19,45.01 30.2,45.02 30.74,45.02 30.9,44.86 31.58,44.86 U8.L2 ; v2(40.48,62.62) 40.49,62.64 40.49,63.22 40.69,63.43 U20.7